# Altium PCB Graviton-EC2.PcbDoc (part 4 of 12) (continued)
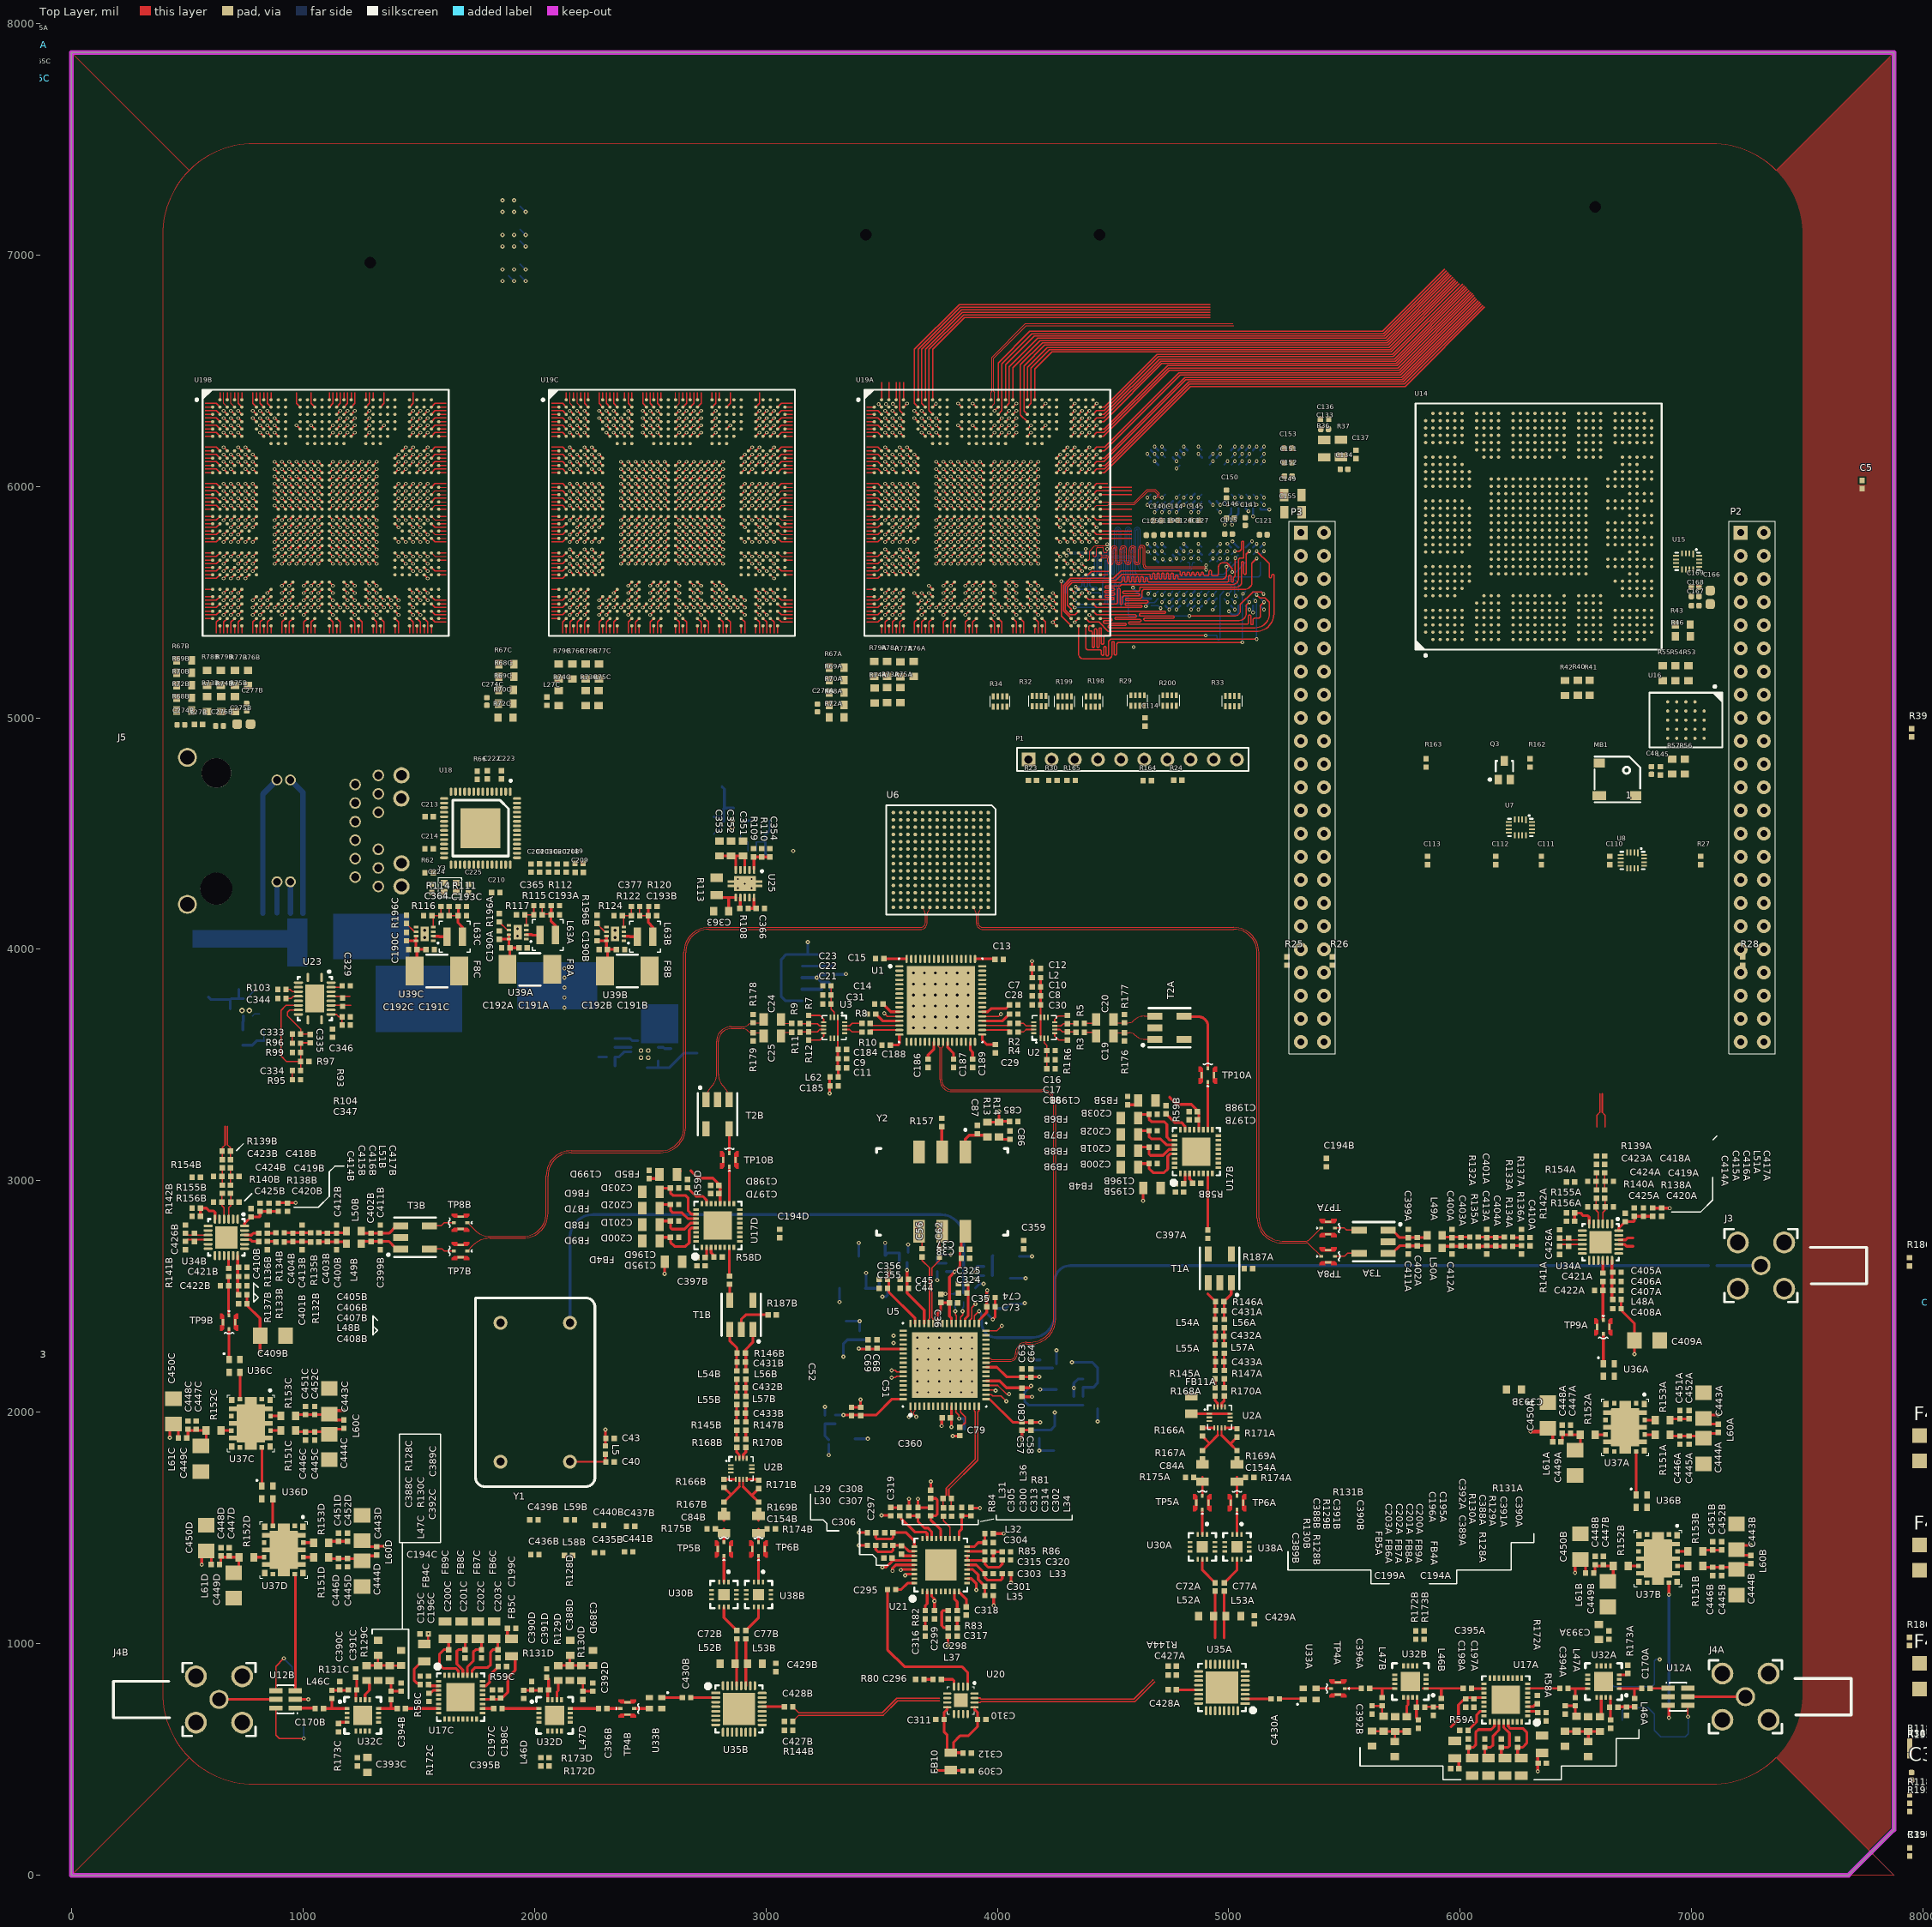
[diagram p0: Top Layer view]
## Footprints (in the part's own frame and the unit in brackets; to place one, negate y for a bottom-side part, rotate by r counter-clockwise, add the part's x,y. Pads: shape width x height; smd on the part's side, far side on the other; paste and mask are expansions set on the pad) (continued)
  silkscreen extent -14.27,-13.5 13.5,13.5, body extent -13.5,-13.5 13.5,13.5, height 1.76
CAPC1005X56N#1 [mm] "Capacitor, Chip; 1.00 mm L X 0.50 mm W X 0.56 mm H body"
  rrect50% 0.59x0.63 smd mask+0.075: 1(-0.42,0) 2(0.42,0)
  body extent -0.5,-0.25 0.5,0.25, height 0.56
CAPC1005X56N#2 [mm] "Capacitor, Chip; 1.00 mm L X 0.50 mm W X 0.56 mm H body"
  rrect50% 0.59x0.63 smd: 1(-0.42,0) 2(0.42,0)
  body extent -0.5,-0.25 0.5,0.25, height 0.56
CAPC1608X90N [mm] "Capacitor, Chip; 1.60 mm L X 0.80 mm W X 0.90 mm H body"
  rrect50% 1.05x1.02 smd mask+0.075: 1(-0.735,0) 2(0.735,0)
  body extent -0.8,-0.4 0.8,0.4, height 0.9
CSS-0578 [mm] "Magnetic Buzzer"
  rect 1.5x1 smd paste-0.025 mask+0.07: 1(-2,-1.8)
  rect 1.25x1 smd paste-0.025 mask+0.07: 2(2,-1.8) 3(-2,1.8)
  silkscreen extent -2.5,-2.5 2.5,2.5, body extent -2.5,-2.5 2.5,2.5, height 3
DCQ-SOT223-5 [mm] "SOT223, 5-Lead package"
  rect 0.55x2.15 smd: 1(-2.54,-3.1) 2(-1.27,-3.1) 3(0,-3.1) 4(1.27,-3.1) 5(2.54,-3.1)
  rect 3.5x2.2 smd: 6(0,3.1)
  silkscreen extent -3.72,-3.22 3.2,1.7, body extent -3.25,-1.75 3.25,1.75, height 1.8
DRC [mm] "Plastic Small Outline No-Lead; 10-pin"
  rect 0.28x0.65 smd: 1(-1,-1.6) 2(-0.5,-1.6) 3(0,-1.6) 4(0.5,-1.6) 5(1,-1.6) 6(1,1.6) 7(0.5,1.6) 8(0,1.6) 9(-0.5,1.6) 10(-1,1.6)
  oval 0.28x0.85 smd: 1(-1,-1.5) 2(-0.5,-1.5) 3(0,-1.5) 4(0.5,-1.5) 5(1,-1.5) 6(1,1.5) 7(0.5,1.5) 8(0,1.5) 9(-0.5,1.5) 10(-1,1.5)
  rect 0.7x0.28 smd paste-0.14: 11(-1.55,-0.25) 11(-1.55,0.25) 11(1.55,-0.25) 11(1.55,0.25)
  rect 2.4x1.65 smd paste-1.2: 11(0,0)
  silkscreen extent -1.98,-1.47 -1.78,-1.27, body extent -1.5,-1.5 1.5,1.5, height 1
DSBGA-4 [mm] "(YFF) Die Size Ball Grid Array, 4-ball"
  round 0.23 smd mask+0.05: A1(-0.2,0.2) A2(0.2,0.2) B1(-0.2,-0.2) B2(0.2,-0.2)
  silkscreen extent -0.6,-0.41 0.6,0.61, body extent -0.58,-0.4 0.58,0.4, height 0.63
DSG [mm] "Plastic Small Outline; No-Lead"
  rect 0.5x0.28 smd paste-0.025 mask+0.07: 1(-0.95,0.75) 2(-0.95,0.25) 3(-0.95,-0.25) 4(-0.95,-0.75) 5(0.95,-0.75) 6(0.95,-0.25) 7(0.95,0.25) 8(0.95,0.75)
  rect 0.9x1.6 smd paste-0.1 mask+0.07: 9(0,0)
  silkscreen extent -1.53,0.94 -1.4,1.06, body extent -1,-1 1,1, height 0.8
G125 [mil] "Vectron 4-pin OCXO package"
  round 60 hole 35.43: 1(300,150) 7(-300,150) 8(300,-150) 14(-300,-150)
  silkscreen extent -407,-258 407,258, body extent -407,-258 407,258, height 335
G218 [mm] "Vectron 6-pin VCXO package"
  rect 1.3x2.5 smd: 1(-2.54,-4.35) 2(0,-4.35) 3(2.54,-4.35) 4(2.54,4.35) 5(0,4.35) 6(-2.54,4.35)
  silkscreen extent -7.2,-6.9 7.2,4.75, body extent -7.2,-4.75 7.2,4.75, height 5.9
GRPB052VWVN [mil] "Male Header, 0.050\" Pitch, 2x5 Position"
  round 42 hole 28 mask+2: 1(-25,100) 2(25,100) 3(-25,50) 4(25,50) 5(-25,0) 6(25,0) 7(-25,-50) 8(25,-50) 9(-25,-100) 10(25,-100)
  silkscreen extent -100,-125 77,125, body extent -67,-125 67,125, height 157
GRPB072VWVN [mil] "Male Header, 0.050\" Pitch, 2x7 Position"
  round 42 hole 28 mask+2: 1(-25,150) 2(25,150) 3(-25,100) 4(25,100) 5(-25,50) 6(25,50) 7(-25,0) 8(25,0) 9(-25,-50) 10(25,-50) 11(-25,-100) 12(25,-100) 13(-25,-150) 14(25,-150)
  silkscreen extent -100,-175 77,175, body extent -67,-175 67,175, height 157
HDR1X10 [mm] "Connector; Header; 10 Position"
  rect 1.5x1.5 hole 0.9: 1(0,0)
  round 1.5 hole 0.9: 2(2.54,0) 3(5.08,0) 4(7.62,0) 5(10.16,0) 6(12.7,0) 7(15.24,0) 8(17.78,0) 9(20.32,0) 10(22.86,0)
  silkscreen extent -1.27,-1.27 24.13,1.27
HEADER23X2 [mil] "HEADER23X2"
  rect 60x60 hole 30 mask+2: 1(-1100,-50)
  round 60 hole 30 mask+2: 2(-1100,50) 3(-1000,-50) 4(-1000,50) 5(-900,-50) 6(-900,50) 7(-800,-50) 8(-800,50) 9(-700,-50) 10(-700,50) 11(-600,-50) 12(-600,50) 13(-500,-50) 14(-500,50) 15(-400,-50) 16(-400,50) 17(-300,-50) 18(-300,50) 19(-200,-50) 20(-200,50) 21(-100,-50) 22(-100,50) 23(0,-50) 24(0,50) 25(100,-50) 26(100,50) 27(200,-50) 28(200,50) 29(300,-50) 30(300,50) 31(400,-50) 32(400,50) 33(500,-50) 34(500,50) 35(600,-50) 36(600,50) 37(700,-50) 38(700,50) 39(800,-50) 40(800,50) 41(900,-50) 42(900,50) 43(1000,-50) 44(1000,50) 45(1100,-50) 46(1100,50)
  silkscreen extent -1150,-100 1150,100
IND-1350 [mm] "INDUCTOR 13x13x5mm"
  rect 4.5x5 smd: 1(-5.25,0) 2(5.25,0)
  silkscreen extent -7.75,-7.75 7.75,7.75, body extent -7.5,-7.5 7.5,7.5, height 5
L-PBGA-24 [mm] "Thin, plastic-ball grid array, 24-ball, 6mm x 8mm"
  round 0.35 smd: A2(-1,2) A3(0,2) A4(1,2) A5(2,2) B1(-2,1) B2(-1,1) B3(0,1) B4(1,1) B5(2,1) C1(-2,0) C2(-1,0) C3(0,0) C4(1,0) C5(2,0) D1(-2,-1) D2(-1,-1) D3(0,-1) D4(1,-1) D5(2,-1) E1(-2,-2) E2(-1,-2) E3(0,-2) E4(1,-2) E5(2,-2)
  silkscreen extent -3.81,-4 3,4, body extent -3,-4 3,4, height 1.3
MS-180(20) [mm] "Coaxial Connector Switch"
  rect 0.44x0.3 smd paste-0.22 mask-0.22: A(0.75,0) C(-0.75,0)
  rect 0.7x0.25 smd paste-0.35 mask-0.35: G(0,0.675) G(0,-0.675)
  Top Layer region: -0.95,0.75 -0.75,0.55 0.75,0.55 0.95,0.75 0.95,1 0.35,1 0.35,0.8 -0.35,0.8 -0.35,1 -0.95,1
  Top Layer region: 0.95,-0.75 0.75,-0.55 -0.75,-0.55 -0.95,-0.75 -0.95,-1 -0.35,-1 -0.35,-0.8 0.35,-0.8 0.35,-1 0.95,-1
  silkscreen extent -1.27,-0.51 1.3,0.51, body extent -0.91,-0.9 0.91,0.9, height 0.85
NHJ0014A [mm] "14-Lead UQFN"
  rect 0.2x0.6 smd paste-0.025 mask+0.1: 1(0.4,1.15) 2(0,1.15) 3(-0.4,1.15) 8(-0.4,-1.15) 9(0,-1.15) 10(0.4,-1.15)
  rect 0.6x0.2 smd paste-0.025 mask+0.1: 4(-1.15,0.6) 5(-1.15,0.2) 6(-1.15,-0.2) 7(-1.15,-0.6) 11(1.15,-0.6) 12(1.15,-0.2) 13(1.15,0.2) 14(1.15,0.6)
  silkscreen extent -1.33,-1.33 1.33,1.69, body extent -1.25,-1.25 1.25,1.25, height 0.6
NJK-WQFN-36 [mm] "(NJK) 36-pin WQFN"
  rect 0.6x0.25 smd mask+0.07: 1(-2.9,2) 2(-2.9,1.5) 3(-2.9,1) 4(-2.9,0.5) 5(-2.9,0) 6(-2.9,-0.5) 7(-2.9,-1) 8(-2.9,-1.5) 9(-2.9,-2) 19(2.9,-2) 20(2.9,-1.5) 21(2.9,-1) 22(2.9,-0.5) 23(2.9,0) 24(2.9,0.5) 25(2.9,1) 26(2.9,1.5) 27(2.9,2)
  rect 0.25x0.6 smd mask+0.07: 10(-2,-2.9) 11(-1.5,-2.9) 12(-1,-2.9) 13(-0.5,-2.9) 14(0,-2.9) 15(0.5,-2.9) 16(1,-2.9) 17(1.5,-2.9) 18(2,-2.9) 28(2,2.9) 29(1.5,2.9) 30(1,2.9) 31(0.5,2.9) 32(0,2.9) 33(-0.5,2.9) 34(-1,2.9) 35(-1.5,2.9) 36(-2,2.9)
  rect 3.45x3.45 smd mask+0.05: 37(0,0)
  silkscreen extent -3.9,-2.9 2.9,3.3, body extent -2.9,-2.9 2.9,2.9, height 0.8
NKD0064A [mm] "WQFN, 64-Leads, Body 9.1x9.1mm (max), Pitch 0.50mm, Height 0.8mm (max), IPC Low Density"
  rect 0.8x0.25 smd: 1(-4.55,3.75) 2(-4.55,3.25) 3(-4.55,2.75) 4(-4.55,2.25) 5(-4.55,1.75) 6(-4.55,1.25) 7(-4.55,0.75) 8(-4.55,0.25) 9(-4.55,-0.25) 10(-4.55,-0.75) 11(-4.55,-1.25) 12(-4.55,-1.75) 13(-4.55,-2.25) 14(-4.55,-2.75) 15(-4.55,-3.25) 16(-4.55,-3.75) 33(4.55,-3.75) 34(4.55,-3.25) 35(4.55,-2.75) 36(4.55,-2.25) 37(4.55,-1.75) 38(4.55,-1.25) 39(4.55,-0.75) 40(4.55,-0.25) 41(4.55,0.25) 42(4.55,0.75) 43(4.55,1.25) 44(4.55,1.75) 45(4.55,2.25) 46(4.55,2.75) 47(4.55,3.25) 48(4.55,3.75)
  rect 0.25x0.8 smd: 17(-3.75,-4.55) 18(-3.25,-4.55) 19(-2.75,-4.55) 20(-2.25,-4.55) 21(-1.75,-4.55) 22(-1.25,-4.55) 23(-0.75,-4.55) 24(-0.25,-4.55) 25(0.25,-4.55) 26(0.75,-4.55) 27(1.25,-4.55) 28(1.75,-4.55) 29(2.25,-4.55) 30(2.75,-4.55) 31(3.25,-4.55) 32(3.75,-4.55) 49(3.75,4.55) 50(3.25,4.55) 51(2.75,4.55) 52(2.25,4.55) 53(1.75,4.55) 54(1.25,4.55) 55(0.75,4.55) 56(0.25,4.55) 57(-0.25,4.55) 58(-0.75,4.55) 59(-1.25,4.55) 60(-1.75,4.55) 61(-2.25,4.55) 62(-2.75,4.55) 63(-3.25,4.55) 64(-3.75,4.55)
  rect 7.2x7.2 smd: 65(0,0)
  silkscreen extent -5.62,-4.6 4.6,4.6, body extent -4.55,-4.55 4.55,4.55, height 0.8
QFN-16-AVAGO [mm] "16-pin QFN Avago"
  rect 0.55x0.3 smd paste-0.025 mask+0.075: 1(-1.725,0.75) 2(-1.725,0.25) 3(-1.725,-0.25) 4(-1.725,-0.75) 9(1.725,-0.75) 10(1.725,-0.25) 11(1.725,0.25) 12(1.725,0.75)
  rect 0.3x0.55 smd paste-0.025 mask+0.075: 5(-0.75,-1.725) 6(-0.25,-1.725) 7(0.25,-1.725) 8(0.75,-1.725) 13(0.75,1.725) 14(0.25,1.725) 15(-0.25,1.725) 16(-0.75,1.725)
  rect 2.1x2.1 smd paste-0.025 mask+0.075: 17(0,0)
  silkscreen extent -2.63,-2 2,2, body extent -2,-2 2,2, height 1
QFN-56 [mm] "QFN 56-lead package with 4.37mm center pad"
  oval 0.9x0.3 smd: 1(-4,3.25) 2(-4,2.75) 3(-4,2.25) 4(-4,1.75) 5(-4,1.25) 6(-4,0.75) 7(-4,0.25) 8(-4,-0.25) 9(-4,-0.75) 10(-4,-1.25) 11(-4,-1.75) 12(-4,-2.25) 13(-4,-2.75) 14(-4,-3.25) 29(4,-3.25) 30(4,-2.75) 31(4,-2.25) 32(4,-1.75) 33(4,-1.25) 34(4,-0.75) 35(4,-0.25) 36(4,0.25) 37(4,0.75) 38(4,1.25) 39(4,1.75) 40(4,2.25) 41(4,2.75) 42(4,3.25)
  oval 0.3x0.9 smd: 15(-3.25,-4) 16(-2.75,-4) 17(-2.25,-4) 18(-1.75,-4) 19(-1.25,-4) 20(-0.75,-4) 21(-0.25,-4) 22(0.25,-4) 23(0.75,-4) 24(1.25,-4) 25(1.75,-4) 26(2.25,-4) 27(2.75,-4) 28(3.25,-4) 43(3.25,4) 44(2.75,4) 45(2.25,4) 46(1.75,4) 47(1.25,4) 48(0.75,4) 49(0.25,4) 50(-0.25,4) 51(-0.75,4) 52(-1.25,4) 53(-1.75,4) 54(-2.25,4) 55(-2.75,4) 56(-3.25,4)
  rect 4.37x4.37 smd: 57(0,0)
  silkscreen extent -5.3,-3.06 3.06,3.4, body extent -4,-4 4,4, height 0.85
QFN-PE-32 [mm] "32-pin QFN 5x5mm w/ 3.1mm thermal pad"
  rect 0.6x0.3 smd mask+0.07: 1(-2.4,1.75) 2(-2.4,1.25) 3(-2.4,0.75) 4(-2.4,0.25) 5(-2.4,-0.25) 6(-2.4,-0.75) 7(-2.4,-1.25) 8(-2.4,-1.75) 17(2.4,-1.75) 18(2.4,-1.25) 19(2.4,-0.75) 20(2.4,-0.25) 21(2.4,0.25) 22(2.4,0.75) 23(2.4,1.25) 24(2.4,1.75)
  rect 0.3x0.6 smd mask+0.07: 9(-1.75,-2.4) 10(-1.25,-2.4) 11(-0.75,-2.4) 12(-0.25,-2.4) 13(0.25,-2.4) 14(0.75,-2.4) 15(1.25,-2.4) 16(1.75,-2.4) 25(1.75,2.4) 26(1.25,2.4) 27(0.75,2.4) 28(0.25,2.4) 29(-0.25,2.4) 30(-0.75,2.4) 31(-1.25,2.4) 32(-1.75,2.4)
  rect 3.1x3.1 smd mask+0.05: 33(0,0)
  silkscreen extent -3.6,-2.6 2.6,2.7, body extent -2.51,-2.51 2.51,2.51, height 0.8
QFN-XLF-12 [mm] "QFN, 12-Leads, Body 3.0x3.0mm, Mini Circuits Reflectionless Filter"
  rect 0.51x0.25 smd: 1(-1.36,0.5) 2(-1.36,0) 3(-1.36,-0.5) 7(1.36,-0.5) 8(1.36,0) 9(1.36,0.5)
  rect 0.25x0.51 smd: 4(-0.5,-1.36) 5(0,-1.36) 6(0.5,-1.36) 10(0.5,1.36) 11(0,1.36) 12(-0.5,1.36)
  rect 1.24x1.24 smd: 13(0,0)
  silkscreen extent -2.62,-1.5 1.5,1.5, body extent -1.5,-1.5 1.5,1.5, height 0.9
RGE-VQFN-24 [mm] "RGE 24-pin package"
  oval 0.28x1 smd mask+0.07: 1(-1.25,-2) 2(-0.75,-2) 3(-0.25,-2) 4(0.25,-2) 5(0.75,-2) 6(1.25,-2) 13(1.25,2) 14(0.75,2) 15(0.25,2) 16(-0.25,2) 17(-0.75,2) 18(-1.25,2)
  oval 1x0.28 smd mask+0.07: 7(2,-1.25) 8(2,-0.75) 9(2,-0.25) 10(2,0.25) 11(2,0.75) 12(2,1.25) 19(-2,1.25) 20(-2,0.75) 21(-2,0.25) 22(-2,-0.25) 23(-2,-0.75) 24(-2,-1.25)
  rect 2.45x2.45 smd mask+0.05: 25(0,0)
  silkscreen extent -2,-2.65 2,2, body extent -2,-2 2,2, height 1
RGY-VQFN-20 [mm] "RGY 20-pin QFN Power Management Package"
  oval 1x0.28 smd mask+0.07: 1(-2.325,-0.75) 10(2.325,-0.75) 11(2.325,0.75) 20(-2.325,0.75)
  oval 0.28x1 smd mask+0.07: 2(-1.75,-1.79) 3(-1.25,-1.79) 4(-0.75,-1.79) 5(-0.25,-1.79) 6(0.25,-1.79) 7(0.75,-1.79) 8(1.25,-1.79) 9(1.75,-1.79) 12(1.75,1.79) 13(1.25,1.79) 14(0.75,1.79) 15(0.25,1.79) 16(-0.25,1.79) 17(-0.75,1.79) 18(-1.25,1.79) 19(-1.75,1.79)
  rect 3.05x2.05 smd mask+0.05: 21(0,0)
  silkscreen extent -3.07,-1.88 2.37,1.88, body extent -2.25,-1.75 2.25,1.75, height 1
RSV [mm] "QFN, 16-Leads, Body 1.9x2.7mm (max), Pitch 0.40mm, IPC High Density"
  rect 0.19x0.75 smd paste-0.025 mask+0.07: 1(-0.6,-0.825)
  rect 0.19x0.65 smd paste-0.025 mask+0.07: 2(-0.2,-0.875) 3(0.2,-0.875) 4(0.6,-0.875) 9(0.6,0.875) 10(0.2,0.875) 11(-0.2,0.875) 12(-0.6,0.875)
  rect 0.65x0.19 smd paste-0.025 mask+0.07: 5(1.275,-0.6) 6(1.275,-0.2) 7(1.275,0.2) 8(1.275,0.6) 13(-1.275,0.6) 14(-1.275,0.2) 15(-1.275,-0.2) 16(-1.275,-0.6)
  silkscreen extent -1.35,-1.36 1.35,0.95, body extent -1.32,-0.92 1.33,0.92, height 0.55
RTE-WQFN-16 [mm] "(RTE) 16 pin WQFN package"
  rect 0.85x0.28 smd paste-0.412: 1(-1.475,0.75) 2(-1.475,0.25) 3(-1.475,-0.25) 4(-1.475,-0.75) 9(1.475,-0.75) 10(1.475,-0.25) 11(1.475,0.25) 12(1.475,0.75)
  rect 0.28x0.85 smd paste-0.412: 5(-0.75,-1.475) 6(-0.25,-1.475) 7(0.25,-1.475) 8(0.75,-1.475) 13(0.75,1.475) 14(0.25,1.475) 15(-0.25,1.475) 16(-0.75,1.475)
  rect 1.803x1.803 smd paste-0.889 mask-0.889: 17(0,0)
  round 0.508 / inner round 1.524 / far side round 0.508 hole 0.254: V(-0.394,-0.394) V(-0.394,0.394) V(0.394,-0.394) V(0.394,0.394)
  silkscreen extent -2.7,-1.83 1.83,1.83, body extent -1.57,-1.57 1.57,1.57, height 0.8
RTV-WQFN-32 [mm] "(RTV) WQFN-32"
  rect 1x0.28 smd mask+0.07: 1(-2.55,1.75)
  oval 1x0.28 smd mask+0.07: 2(-2.55,1.25) 3(-2.55,0.75) 4(-2.55,0.25) 5(-2.55,-0.25) 6(-2.55,-0.75) 7(-2.55,-1.25) 8(-2.55,-1.75) 17(2.55,-1.75) 18(2.55,-1.25) 19(2.55,-0.75) 20(2.55,-0.25) 21(2.55,0.25) 22(2.55,0.75) 23(2.55,1.25) 24(2.55,1.75)
  oval 0.28x1 smd mask+0.07: 9(-1.75,-2.55) 10(-1.25,-2.55) 11(-0.75,-2.55) 12(-0.25,-2.55) 13(0.25,-2.55) 14(0.75,-2.55) 15(1.25,-2.55) 16(1.75,-2.55) 25(1.75,2.55) 26(1.25,2.55) 27(0.75,2.55) 28(0.25,2.55) 29(-0.25,2.55) 30(-0.75,2.55) 31(-1.25,2.55) 32(-1.75,2.55)
  rect 3.55x3.55 smd mask+0.05: 33(0,0)
  silkscreen extent -3.6,-2.6 2.6,2.7, body extent -2.51,-2.51 2.51,2.51, height 0.8
S-PVQFN-N64 [mm] "Plastic Quad Flatpack No-Lead, 64-pin"
  oval 0.9x0.25 smd paste-0.025 mask+0.075: 1(-4.55,3.75) 2(-4.55,3.25) 3(-4.55,2.75) 4(-4.55,2.25) 5(-4.55,1.75) 6(-4.55,1.25) 7(-4.55,0.75) 8(-4.55,0.25) 9(-4.55,-0.25) 10(-4.55,-0.75) 11(-4.55,-1.25) 12(-4.55,-1.75) 13(-4.55,-2.25) 14(-4.55,-2.75) 15(-4.55,-3.25) 16(-4.55,-3.75) 33(4.55,-3.75) 34(4.55,-3.25) 35(4.55,-2.75) 36(4.55,-2.25) 37(4.55,-1.75) 38(4.55,-1.25) 39(4.55,-0.75) 40(4.55,-0.25) 41(4.55,0.25) 42(4.55,0.75) 43(4.55,1.25) 44(4.55,1.75) 45(4.55,2.25) 46(4.55,2.75) 47(4.55,3.25) 48(4.55,3.75)
  oval 0.25x0.9 smd paste-0.025 mask+0.075: 17(-3.75,-4.55) 18(-3.25,-4.55) 19(-2.75,-4.55) 20(-2.25,-4.55) 21(-1.75,-4.55) 22(-1.25,-4.55) 23(-0.75,-4.55) 24(-0.25,-4.55) 25(0.25,-4.55) 26(0.75,-4.55) 27(1.25,-4.55) 28(1.75,-4.55) 29(2.25,-4.55) 30(2.75,-4.55) 31(3.25,-4.55) 32(3.75,-4.55) 49(3.75,4.55) 50(3.25,4.55) 51(2.75,4.55) 52(2.25,4.55) 53(1.75,4.55) 54(1.25,4.55) 55(0.75,4.55) 56(0.25,4.55) 57(-0.25,4.55) 58(-0.75,4.55) 59(-1.25,4.55) 60(-1.75,4.55) 61(-2.25,4.55) 62(-2.75,4.55) 63(-3.25,4.55) 64(-3.75,4.55)
  rect 7.5x7.5 smd paste-0.025 mask+0.075: 65(0,0)
  silkscreen extent -5.67,-4.6 4.6,4.6, body extent -4.57,-4.57 4.57,4.57, height 1
SEAF-40-06.5-S-10-2-A-K-TR [mil] "Terminal Array Assembly, Surface Mount, 0.050\" Pitch, 400 Pins"
  round 25 smd paste+5 mask+2: 1(975,-225) 2(975,-175) 3(975,-125) 4(975,-75) 5(975,-25) 6(975,25) 7(975,75) 8(975,125) 9(975,175) 10(975,225) 11(925,-225) 12(925,-175) 13(925,-125) 14(925,-75) 15(925,-25) 16(925,25) 17(925,75) 18(925,125) 19(925,175) 20(925,225) 21(875,-225) 22(875,-175) 23(875,-125) 24(875,-75) 25(875,-25) 26(875,25) 27(875,75) 28(875,125) 29(875,175) 30(875,225) 31(825,-225) 32(825,-175) 33(825,-125) 34(825,-75) 35(825,-25) 36(825,25) 37(825,75) 38(825,125) 39(825,175) 40(825,225) 41(775,-225) 42(775,-175) 43(775,-125) 44(775,-75) 45(775,-25) 46(775,25) 47(775,75) 48(775,125) 49(775,175) 50(775,225) 51(725,-225) 52(725,-175) 53(725,-125) 54(725,-75) 55(725,-25) 56(725,25) 57(725,75) 58(725,125) 59(725,175) 60(725,225) 61(675,-225) 62(675,-175) 63(675,-125) 64(675,-75) 65(675,-25) 66(675,25) 67(675,75) 68(675,125) 69(675,175) 70(675,225) 71(625,-225) 72(625,-175) 73(625,-125) 74(625,-75) 75(625,-25) 76(625,25) 77(625,75) 78(625,125) 79(625,175) 80(625,225) 81(575,-225) 82(575,-175) 83(575,-125) 84(575,-75) 85(575,-25) 86(575,25) 87(575,75) 88(575,125) 89(575,175) 90(575,225) 91(525,-225) 92(525,-175) 93(525,-125) 94(525,-75) 95(525,-25) 96(525,25) 97(525,75) 98(525,125) 99(525,175) 100(525,225) 101(475,-225) 102(475,-175) 103(475,-125) 104(475,-75) 105(475,-25) 106(475,25) 107(475,75) 108(475,125) 109(475,175) 110(475,225) 111(425,-225) 112(425,-175) 113(425,-125) 114(425,-75) 115(425,-25) 116(425,25) 117(425,75) 118(425,125) 119(425,175) 120(425,225) 121(375,-225) 122(375,-175) 123(375,-125) 124(375,-75) 125(375,-25) 126(375,25) 127(375,75) 128(375,125) 129(375,175) 130(375,225) 131(325,-225) 132(325,-175) 133(325,-125) 134(325,-75) 135(325,-25) 136(325,25) 137(325,75) 138(325,125) 139(325,175) 140(325,225) 141(275,-225) 142(275,-175) 143(275,-125) 144(275,-75) 145(275,-25) 146(275,25) 147(275,75) 148(275,125) 149(275,175) 150(275,225) 151(225,-225) 152(225,-175) 153(225,-125) 154(225,-75) 155(225,-25) 156(225,25) 157(225,75) 158(225,125) 159(225,175) 160(225,225) 161(175,-225) 162(175,-175) 163(175,-125) 164(175,-75) 165(175,-25) 166(175,25) 167(175,75) 168(175,125) 169(175,175) 170(175,225) 171(125,-225) 172(125,-175) 173(125,-125) 174(125,-75) 175(125,-25) 176(125,25) 177(125,75) 178(125,125) 179(125,175) 180(125,225) 181(75,-225) 182(75,-175) 183(75,-125) 184(75,-75) 185(75,-25) 186(75,25) 187(75,75) 188(75,125) 189(75,175) 190(75,225) 191(25,-225) 192(25,-175) 193(25,-125) 194(25,-75) 195(25,-25) 196(25,25) 197(25,75) 198(25,125) 199(25,175) 200(25,225) 201(-25,-225) 202(-25,-175) 203(-25,-125) 204(-25,-75) 205(-25,-25) 206(-25,25) 207(-25,75) 208(-25,125) 209(-25,175) 210(-25,225) 211(-75,-225) 212(-75,-175) 213(-75,-125) 214(-75,-75) 215(-75,-25) 216(-75,25) 217(-75,75) 218(-75,125) 219(-75,175) 220(-75,225) 221(-125,-225) 222(-125,-175) 223(-125,-125) 224(-125,-75) 225(-125,-25) 226(-125,25) 227(-125,75) 228(-125,125) 229(-125,175) 230(-125,225) 231(-175,-225) 232(-175,-175) 233(-175,-125) 234(-175,-75) 235(-175,-25) 236(-175,25) 237(-175,75) 238(-175,125) 239(-175,175) 240(-175,225) 241(-225,-225) 242(-225,-175) 243(-225,-125) 244(-225,-75) 245(-225,-25) 246(-225,25) 247(-225,75) 248(-225,125) 249(-225,175) 250(-225,225) 251(-275,-225) 252(-275,-175) 253(-275,-125) 254(-275,-75) 255(-275,-25) 256(-275,25) 257(-275,75) 258(-275,125) 259(-275,175) 260(-275,225) 261(-325,-225) 262(-325,-175) 263(-325,-125) 264(-325,-75) 265(-325,-25) 266(-325,25) 267(-325,75) 268(-325,125) 269(-325,175) 270(-325,225) 271(-375,-225) 272(-375,-175) 273(-375,-125) 274(-375,-75) 275(-375,-25) 276(-375,25) 277(-375,75) 278(-375,125) 279(-375,175) 280(-375,225) 281(-425,-225) 282(-425,-175) 283(-425,-125) 284(-425,-75) 285(-425,-25) 286(-425,25) 287(-425,75) 288(-425,125) 289(-425,175) 290(-425,225) 291(-475,-225) 292(-475,-175) 293(-475,-125) 294(-475,-75) 295(-475,-25) 296(-475,25) 297(-475,75) 298(-475,125) 299(-475,175) 300(-475,225) 301(-525,-225) 302(-525,-175) 303(-525,-125) 304(-525,-75) 305(-525,-25) 306(-525,25) 307(-525,75) 308(-525,125) 309(-525,175) 310(-525,225) 311(-575,-225) 312(-575,-175) 313(-575,-125) 314(-575,-75) 315(-575,-25) 316(-575,25) 317(-575,75) 318(-575,125) 319(-575,175) 320(-575,225) 321(-625,-225) 322(-625,-175) 323(-625,-125) 324(-625,-75) 325(-625,-25) 326(-625,25) 327(-625,75) 328(-625,125) 329(-625,175) 330(-625,225) 331(-675,-225) 332(-675,-175) 333(-675,-125) 334(-675,-75) 335(-675,-25) 336(-675,25) 337(-675,75) 338(-675,125) 339(-675,175) 340(-675,225) 341(-725,-225) 342(-725,-175) 343(-725,-125) 344(-725,-75) 345(-725,-25) 346(-725,25) 347(-725,75) 348(-725,125) 349(-725,175) 350(-725,225) 351(-775,-225) 352(-775,-175) 353(-775,-125) 354(-775,-75) 355(-775,-25) 356(-775,25) 357(-775,75) 358(-775,125) 359(-775,175) 360(-775,225) 361(-825,-225) 362(-825,-175) 363(-825,-125) 364(-825,-75) 365(-825,-25) 366(-825,25) 367(-825,75) 368(-825,125) 369(-825,175) 370(-825,225) 371(-875,-225) 372(-875,-175) 373(-875,-125) 374(-875,-75) 375(-875,-25) 376(-875,25) 377(-875,75) 378(-875,125) 379(-875,175) 380(-875,225) 381(-925,-225) 382(-925,-175) 383(-925,-125) 384(-925,-75) 385(-925,-25) 386(-925,25) 387(-925,75) 388(-925,125) 389(-925,175) 390(-925,225) 391(-975,-225) 392(-975,-175) 393(-975,-125) 394(-975,-75) 395(-975,-25) 396(-975,25) 397(-975,75) 398(-975,125) 399(-975,175) 400(-975,225)
  round 25 hole 50 unplated mask+22.5: 401(1070.5,-120) 402(-1070.5,0)
  silkscreen extent -1151,-280 1151,280, body extent -1131,-262 1131,261, height 257
SM2016-4 [mm] "4-Terminal Ceramic Surface-Mount Case; 2.0 x 1.6mm"
  rect 0.8x0.6 smd paste-0.025 mask+0.07: 1(0.7,0.6) 2(-0.7,0.6) 3(-0.7,-0.6) 4(0.7,-0.6)
  silkscreen extent 1.27,1.08 1.4,1.21, body extent -1,-0.8 1,0.8, height 0.9
SOIC8 [mil] "8-Pin JEDEC Small Outline Integrated Circuit 1.27 mm Pitch, IPC Low Density"
  rect 45x30 smd: 1(-102.5,75) 2(-102.5,25) 3(-102.5,-25) 4(-102.5,-75) 5(102.5,-75) 6(102.5,-25) 7(102.5,25) 8(102.5,75)
  silkscreen extent -65,-98 59,107, body extent -118,-98 118,98, height 69
SOT23-6 [mm] "SOT-457/SC-74; 6 Leads; Body 3 x 3 mm, inc. leads (LxW max)"
  rect 0.55x1.45 smd: 1(-0.95,-1.075) 2(0,-1.075) 3(0.95,-1.075) 4(0.95,1.075) 5(0,1.075) 6(-0.95,1.075)
  silkscreen extent -1.57,-1.35 1.55,0.9, body extent -1.5,-1.5 1.5,1.5, height 1.3
SOT323 [mm] "SOT-323/SC-70; 3 Leads; Body 2.2 x 2.2 mm, inc. leads (LxW max)"
  rect 0.8x1.05 smd: 1(-0.65,-1.025) 2(0.65,-1.025) 3(0,1.025)
  silkscreen extent -1.72,-1.15 0.95,1.03, body extent -1.05,-1.23 1.05,1.07, height 1
SRR1260 [mm] "Shielded SMD Power Inductor"
  rect 2.9x5.4 smd: 1(-4.85,0) 2(4.85,0)
  silkscreen extent -6.5,-6.5 6.5,6.5, body extent -6.25,-6.25 6.25,6.25, height 6
TDSON-8 [mm] "Power FET Package 5x6mm TDSON-8"
  rect 0.65x1.2 smd: 1(-1.905,-2.825) 2(-0.635,-2.825) 3(0.635,-2.825) 4(1.905,-2.825) 5(1.905,2.825) 5(1.905,2.825) 6(0.635,2.825) 7(-0.635,2.825) 8(-1.905,2.825)
  rect 4.6x4.5 smd: 9(0,0.675)
  silkscreen extent -3.3,-3.55 2.75,3, body extent -2.5,-3 2.5,3, height 1
WFQFN-16 [mm] "16-Pin WFQFN, Analog Devices 16-LFCSP"
  oval 0.9x0.25 smd mask+0.07: 1(-1.5,0.75) 2(-1.5,0.25) 3(-1.5,-0.25) 4(-1.5,-0.75) 9(1.5,-0.75) 10(1.5,-0.25) 11(1.5,0.25) 12(1.5,0.75)
  oval 0.25x0.9 smd mask+0.07: 5(-0.75,-1.5) 6(-0.25,-1.5) 7(0.25,-1.5) 8(0.75,-1.5) 13(0.75,1.5) 14(0.25,1.5) 15(-0.25,1.5) 16(-0.75,1.5)
  rect 1.5x1.5 smd mask+0.05: 17(0,0)
  silkscreen extent -1.99,-1.5 1.5,1.59, body extent -1.5,-1.5 1.5,1.5, height 0.8
XRCGB [mm] "Crystal package, 2.0x1.6mm"
  rect 0.75x0.7 smd: 1(0.675,0.5) 2(-0.675,0.5) 3(-0.675,-0.5) 4(0.675,-0.5)
  silkscreen extent -1.3,-1.1 1.3,1.1, body extent -1,-0.8 1,0.8, height 0.7
ZAY-BGA-196 [mm] "ZAY Texas Instruments 196-Ball BGA"
  round 0.4 smd: A1(-5.2,5.2) A2(-4.4,5.2) A3(-3.6,5.2) A4(-2.8,5.2) A5(-2,5.2) A6(-1.2,5.2) A7(-0.4,5.2) A8(0.4,5.2) A9(1.2,5.2) A10(2,5.2) A11(2.8,5.2) A12(3.6,5.2) A13(4.4,5.2) A14(5.2,5.2) B1(-5.2,4.4) B2(-4.4,4.4) B3(-3.6,4.4) B4(-2.8,4.4) B5(-2,4.4) B6(-1.2,4.4) B7(-0.4,4.4) B8(0.4,4.4) B9(1.2,4.4) B10(2,4.4) B11(2.8,4.4) B12(3.6,4.4) B13(4.4,4.4) B14(5.2,4.4) C1(-5.2,3.6) C2(-4.4,3.6) C3(-3.6,3.6) C4(-2.8,3.6) C5(-2,3.6) C6(-1.2,3.6) C7(-0.4,3.6) C8(0.4,3.6) C9(1.2,3.6) C10(2,3.6) C11(2.8,3.6) C12(3.6,3.6) C13(4.4,3.6) C14(5.2,3.6) D1(-5.2,2.8) D2(-4.4,2.8) D3(-3.6,2.8) D4(-2.8,2.8) D5(-2,2.8) D6(-1.2,2.8) D7(-0.4,2.8) D8(0.4,2.8) D9(1.2,2.8) D10(2,2.8) D11(2.8,2.8) D12(3.6,2.8) D13(4.4,2.8) D14(5.2,2.8) E1(-5.2,2) E2(-4.4,2) E3(-3.6,2) E4(-2.8,2) E5(-2,2) E6(-1.2,2) E7(-0.4,2) E8(0.4,2) E9(1.2,2) E10(2,2) E11(2.8,2) E12(3.6,2) E13(4.4,2) E14(5.2,2) F1(-5.2,1.2) F2(-4.4,1.2) F3(-3.6,1.2) F4(-2.8,1.2) F5(-2,1.2) F6(-1.2,1.2) F7(-0.4,1.2) F8(0.4,1.2) F9(1.2,1.2) F10(2,1.2) F11(2.8,1.2) F12(3.6,1.2) F13(4.4,1.2) F14(5.2,1.2) G1(-5.2,0.4) G2(-4.4,0.4) G3(-3.6,0.4) G4(-2.8,0.4) G5(-2,0.4) G6(-1.2,0.4) G7(-0.4,0.4) G8(0.4,0.4) G9(1.2,0.4) G10(2,0.4) G11(2.8,0.4) G12(3.6,0.4) G13(4.4,0.4) G14(5.2,0.4) H1(-5.2,-0.4) H2(-4.4,-0.4) H3(-3.6,-0.4) H4(-2.8,-0.4) H5(-2,-0.4) H6(-1.2,-0.4) H7(-0.4,-0.4) H8(0.4,-0.4) H9(1.2,-0.4) H10(2,-0.4) H11(2.8,-0.4) H12(3.6,-0.4) H13(4.4,-0.4) H14(5.2,-0.4) J1(-5.2,-1.2) J2(-4.4,-1.2) J3(-3.6,-1.2) J4(-2.8,-1.2) J5(-2,-1.2) J6(-1.2,-1.2) J7(-0.4,-1.2) J8(0.4,-1.2) J9(1.2,-1.2) J10(2,-1.2) J11(2.8,-1.2) J12(3.6,-1.2) J13(4.4,-1.2) J14(5.2,-1.2) K1(-5.2,-2) K2(-4.4,-2) K3(-3.6,-2) K4(-2.8,-2) K5(-2,-2) K6(-1.2,-2) K7(-0.4,-2) K8(0.4,-2) K9(1.2,-2) K10(2,-2) K11(2.8,-2) K12(3.6,-2) K13(4.4,-2) K14(5.2,-2) L1(-5.2,-2.8) L2(-4.4,-2.8) L3(-3.6,-2.8) L4(-2.8,-2.8) L5(-2,-2.8) L6(-1.2,-2.8) L7(-0.4,-2.8) L8(0.4,-2.8) L9(1.2,-2.8) L10(2,-2.8) L11(2.8,-2.8) L12(3.6,-2.8) L13(4.4,-2.8) L14(5.2,-2.8) M1(-5.2,-3.6) M2(-4.4,-3.6) M3(-3.6,-3.6) M4(-2.8,-3.6) M5(-2,-3.6) M6(-1.2,-3.6) M7(-0.4,-3.6) M8(0.4,-3.6) M9(1.2,-3.6) M10(2,-3.6) M11(2.8,-3.6) M12(3.6,-3.6) M13(4.4,-3.6) M14(5.2,-3.6) N1(-5.2,-4.4) N2(-4.4,-4.4) N3(-3.6,-4.4) N4(-2.8,-4.4) N5(-2,-4.4) N6(-1.2,-4.4) N7(-0.4,-4.4) N8(0.4,-4.4) N9(1.2,-4.4) N10(2,-4.4) N11(2.8,-4.4) N12(3.6,-4.4) N13(4.4,-4.4) N14(5.2,-4.4) P1(-5.2,-5.2) P2(-4.4,-5.2) P3(-3.6,-5.2) P4(-2.8,-5.2) P5(-2,-5.2) P6(-1.2,-5.2) P7(-0.4,-5.2) P8(0.4,-5.2) P9(1.2,-5.2) P10(2,-5.2) P11(2.8,-5.2) P12(3.6,-5.2) P13(4.4,-5.2) P14(5.2,-5.2)
  silkscreen extent -6,-6 6,6, body extent -6,-6 6,6, height 1.4